# KiCad board audio-controller-board.kicad_pcb (continued)
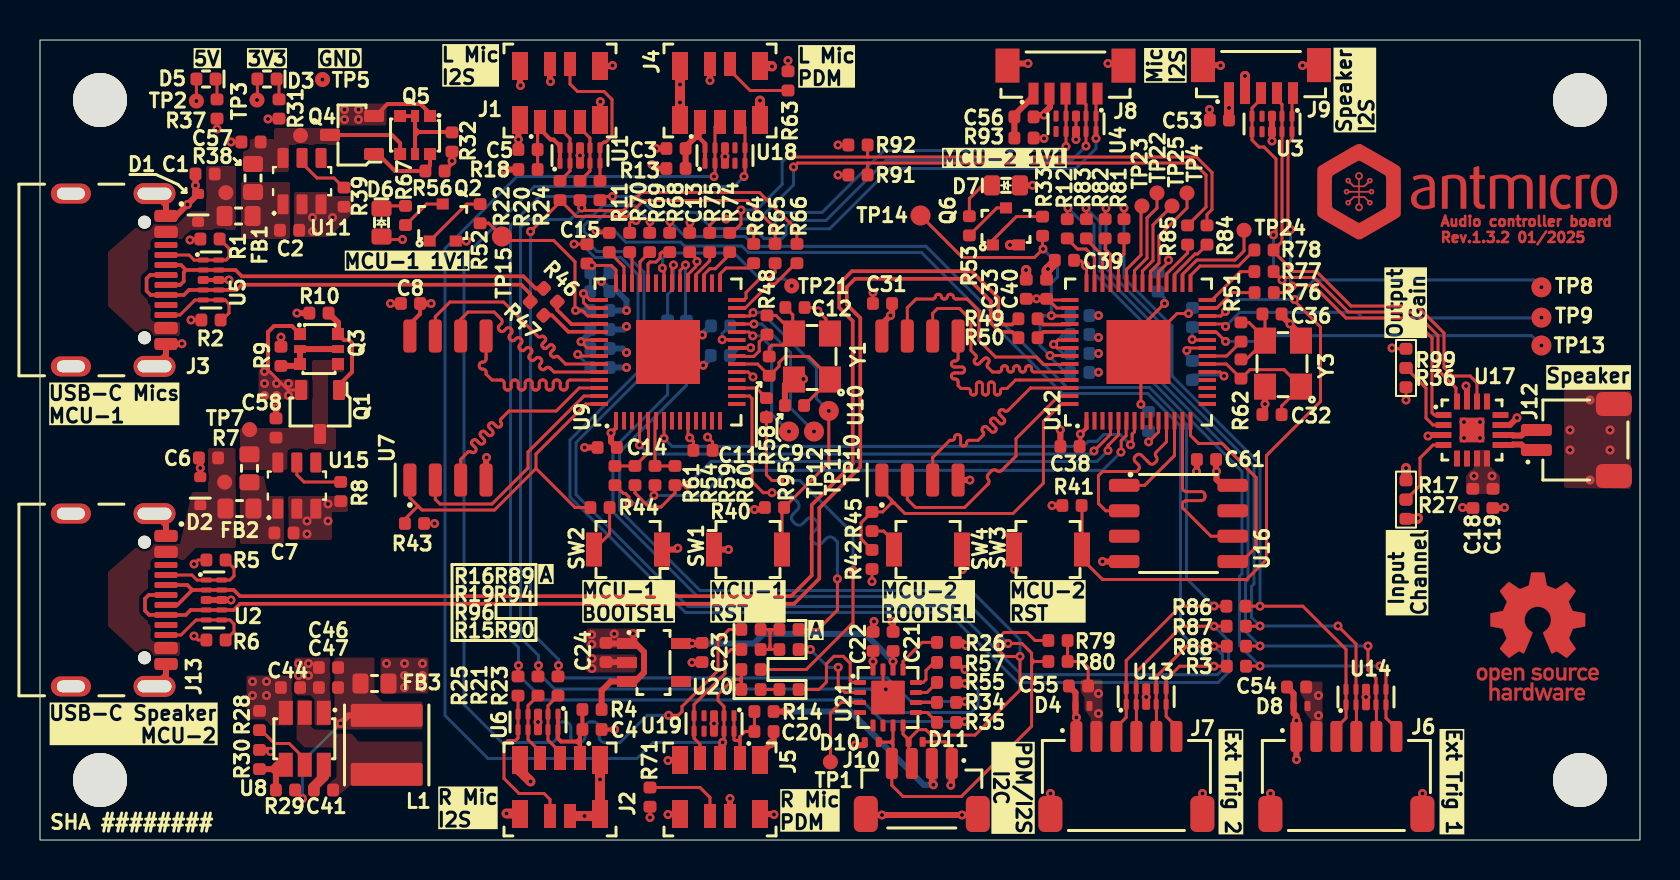
[diagram p0: board, top side]
## Routing (per net, layer and track width the routed paths; a pad name or vN(x,y) marks a point on that pad's centre or on a via; arc(x,y) is an arc through that point) (continued)
/RP2040 - 2/RUN: length 45.1
  Top w0.15: 58.32,26.2 59.04,26.2 v1(59.27,26.43) ; v1(62.72,27.03) 62.78,26.97 62.78,26.9 64.03,25.65 64.03,21.92 61.32,19.22 61.32,14.03 60.32,13.03 53.12,13.03 52.1,14.05 SW3.2 52.1,16.71 R41.2
  Bottom w0.15: v1(75.07,27.64) 74.7,28.01 63.71,28.01 v1(62.72,27.03) 59.87,27.03 v1(59.27,26.43)
/RP2040 - 2/SPI1.MISO: length 9.4
  Top w0.15: 56.32,21 56.32,19.91 55.81,19.4 arc(55.76,19.28) 55.81,19.16 arc(55.86,19.04) 55.81,18.93 55.72,18.83 arc(55.6,18.78) 55.48,18.83 55.07,19.24 arc(54.95,19.29) 54.82,19.24 54.76,19.18 arc(54.7,19.05) 54.76,18.92 54.92,18.76 arc(54.97,18.63) 54.92,18.5 54.84,18.42 53.12,18.42 52.93,18.22 52.93,16.83 53.29,16.46 U16.2
/RP2040 - 2/SPI1.MOSI: length 9.4
  Top w0.15: 60.08,13.92 60.81,14.66 60.81,18.11 59.1,19.83 57.93,19.83 57.53,20.22 57.53,21
/RP2040 - 2/SPI1.SCK: length 9.4
  Top w0.15: U16.6 58.54,15.19 57.12,16.61 57.12,16.79 arc(57.18,16.92) 57.31,16.97 58.07,16.97 arc(58.19,17.02) 58.25,17.15 58.25,17.24 arc(58.19,17.37) 58.07,17.42 57.31,17.42 arc(57.18,17.47) 57.12,17.6 57.12,21
/RP2040 - 2/SPI1.~{CS0}: length 4.9
  Top w0.15: U16.1 55.23,17.73 56.72,19.22 56.72,21
/RP2040 - 2/SWCLK: length 17.3
  Top w0.15: 58.32,25.4 58.81,25.4 v1(59.28,24.93)
  Bottom w0.15: v1(59.28,24.93) 60.92,24.93 61.21,25.22 74.58,25.22 v1(75.07,24.72)
/RP2040 - 2/SWDIO: length 17.2
  Top w0.15: v1(59.28,25.68) 59.16,25.8 58.33,25.8
  Bottom w0.15: v1(75.07,26.12) 75.06,26.11 66.13,26.11 65.85,26.39 59.99,26.39 v1(59.28,25.68)
/RP2040 - 2/XIN: length 7.4
  Top w0.15: 58.32,23.8 59.32,23.8 R62.1 60.5,23.52 62.2,23.52 Y3.1 62.08,21.7 C32.2
/RP2040 - 2/XOUT: length 2
  Top w0.15: R51.2 59.33,24.2 58.32,24.2
/RP2040 - 2/XOUT_R: length 4.5
  Top w0.15: R51.1 60.44,25.88 60.87,25.46 60.87,25.35 Y3.3 61.25,26.17 C36.2 ; 61.2,24.92 60.31,24.03 R62.2
Net-(C46-Pad2): length 7.5
  Top w0.15: 13.12,2.13 R29.2
  Top w0.3: v1(15.03,5.82) 15.43,6.23 L1.2
  Bottom w0.15: v1(15.03,5.82) 13.12,3.92 v1(13.12,2.07)
Net-(C56-Pad2): length 2.5
  Top w0.3: C56.2 R93.1 ; J8.1 49.67,37.2 48.72,36.25
Net-(D3-C): length 1.1
  Top w0.15: D3.1 11.95,37.93 R31.2
Net-(D5-C): length 1
  Top w0.15: R37.1 8.85,37.98 D5.1
Net-(D6-C): length 1.3
  Top w0.15: D6.1 17.2,31.7 R67.2
Net-(D7-C): length 2.3
  Top w0.15: D7.1 47.13,32.73 46.47,32.07 R53.2
Net-(J4-Pad4): length 3.6
  Top w0.15: J4.4 34.5,38.47 35.5,37.47 R63.2
Net-(J5-Pad4): length 4.1
  Top w0.15: R71.2 33,2.62 33.5,2.12 J5.4
Net-(Q1-G): length 4.7
  Top w0.2: Q1.1 14.95,22.75 15.6,23.4 15.6,24.85 15.45,25 15.2,25 14.9,25.3
  Top w0.3: 14.9,25.3 14.9,25.87 R10.2
Net-(Q2-B): length 3.3
  Top w0.15: 19.48,29.95 21.33,31.8 R52.2
Net-(Q2-C): length 2.3
  Top w0.15: R67.1 19.33,31.8 Q2.3
Net-(Q3-Pad2): length 3.8
  Top w0.3: 14.9,24.55 Q3.2 Q3.3 12.9,23.7 11.89,23.7
Net-(Q4-G): length 3.9
  Top w0.2: Q4.1 16.9,34.3 17.75,33.45 R56.2 19.27,33.5 19.5,33.73 Q5.6
Net-(Q5-Pad2): length 5.2
  Top w0.2: 18.75,35.22 18.75,35.15 ; 18.75,35.22 18.75,35.58 ; 18.75,35.22 18.93,35.4 ; 18.75,35.15 Q5.5 ; 18.75,35.15 18.75,35.35 18.8,35.4 18.95,35.4 ; 18.75,35.58 Q5.2 Q5.3 ; 18.75,35.58 18.93,35.4 ; 18.93,35.4 18.95,35.4 ; R32.2 20.58,35.4 18.95,35.4
Net-(Q6-B): length 3.2
  Top w0.15: Q6.1 47.65,30 48.82,31.17 R33.2
Net-(Q6-C): length 2.4
  Top w0.15: R53.1 47.84,31.61 Q6.3
Net-(R16-Pad2): length 3.6
  Top w0.15: 36.5,10.43 36.4,10.53 ; 36.5,10.43 36.5,10.38 ; 36.5,10.43 36.6,10.53 ; 36.4,10.53 36.5,10.53 ; 36.4,10.53 R16.2 ; 36.5,10.38 36.5,10.53 ; 36.5,10.38 36.5,9.68 ; 36.5,10.53 36.6,10.53 ; 36.5,9.62 36.5,9.68 ; 36.5,9.62 36.6,9.53 36.65,9.53 ; 36.5,9.62 36.4,9.53 ; 36.5,9.68 36.5,9.53 ; 36.65,9.53 R94.2 ; 36.65,9.53 36.5,9.53 ; 36.6,10.53 R89.1 ; 36.5,9.53 36.4,9.53 ; 36.4,9.53 R19.2
Net-(U8-BST): length 1.5
  Top w0.5: C41.1 13.69,2.67 14.19,3.16 U8.6
Net-(U8-EN): length 3.1
  Top w0.15: R28.2 11.06,5.5 11.72,4.82 12.46,4.82 13.24,4.05 U8.5
Net-(U8-FB): length 3.1
  Top w0.3: 11.62,3.54 11.62,3.54 11.8,3.38 ; 11.62,3.54 11.85,3.78 ; 11.62,3.54 10.97,3.54 ; R29.1 11.8,3.38 ; 11.8,3.38 11.8,3.72 11.85,3.78 ; 11.85,3.78 12.05,3.97 12.1,3.97 12.29,3.79 U8.4
Net-(U9-GPIO3): length 3.6
  Top w0.15: 30.4,21 30.43,20.97 30.43,19.38 29.75,18.7 28.75,18.7
Net-(U9-GPIO4): length 3.3
  Top w0.15: 30.8,21 30.75,20.95 30.75,18.7 31.75,18.7
Net-(U9-GPIO14): length 1.7
  Top w0.15: 34.8,22.6 35.81,22.6 R95.1
Net-(U9-GPIO16): length 4
  Top w0.15: R66.1 37.79,28.84 36.75,27.8 36.47,27.8 35.26,26.6 34.8,26.6
Net-(U9-GPIO17): length 3.1
  Top w0.15: R65.1 36.75,28.38 36.49,28.11 36.04,28.11 35.3,27.38 35.3,27.1 35.2,27 34.8,27
Net-(U9-GPIO18): length 2.4
  Top w0.15: R64.1 35.45,28.6 34.3,28.6 34,28.3 34,27.8
Net-(U9-GPIO20): length 2.3
  Top w0.15: 33.2,27.8 33.2,28.28 33.49,28.56 33.76,28.56 34.49,29.28 R74.1
Net-(U9-GPIO21): length 1.9
  Top w0.15: R75.1 33.49,28.96 32.8,28.28 32.8,27.8
Net-(U9-GPIO22): length 3.9
  Top w0.15: 32,27.8 32,28.48 v1(32.27,28.75)
  Bottom w0.15: R72.1 32.27,26.01 v1(32.27,28.75)
Net-(U9-GPIO23): length 3.9
  Top w0.15: 31.6,27.8 31.6,28.67 v1(31.68,28.75)
  Bottom w0.15: R73.1 31.38,27.28 31.68,27.58 v1(31.68,28.75)
Net-(U9-GPIO24): length 8.6
  Top w0.15: 31.2,27.8 31.2,28.52 v1(31.12,28.59)
  Bottom w0.15: v1(31.12,28.59) 31.12,29.07 31.4,29.35 34.7,29.35 36,28.05 37.24,28.05 v1(37.59,27.7)
Net-(U9-GPIO26): length 2.4
  Top w0.15: 30.4,27.8 30.4,28.8 30.5,28.9 30.81,28.9 31,29.1 31,29.3 31.1,29.39 R68.1
Net-(U9-GPIO27): length 1.8
  Top w0.15: 30,27.8 30,28.91 R69.1
Net-(U9-GPIO28): length 1.6
  Top w0.15: R70.1 29.6,29.28 29.6,27.8
Net-(U9-GPIO29): length 1.9
  Top w0.15: 29.2,27.8 29.2,28.66 R11.1
Net-(U9-USB_DM): length 2.8
  Top w0.182: R46.2 25.86,26.5 26.57,25.79 27.99,25.79 28,25.8
Net-(U9-USB_DP): length 3.2
  Top w0.182: R47.2 25.59,26.24 26.42,25.41 27.99,25.41 28,25.4
Net-(U11-ILIM): length 2.9
  Top w0.15: R39.2 15.18,32.62 14.7,33.1 13.85,33.1 13.1,33.85 U11.5
Net-(U12-GPIO16): length 2.7
  Top w0.15: 58.32,26.6 58.85,26.6 58.85,26.6 59.61,27.37 R76.1
Net-(U12-GPIO17): length 3
  Top w0.15: R77.1 60.06,28.42 60.04,28.4 60,28.4 58.6,27 58.32,27
Net-(U12-GPIO18): length 4.1
  Top w0.15: 57.53,27.8 57.53,28.23 58,28.7 59.92,28.7 R78.1
Net-(U12-GPIO19): length 5.1
  Top w0.15: 60.22,30.5 TP24.1 60.2,29.45 59.75,29 57.84,29 57.12,28.28 57.12,27.8
Net-(U12-GPIO20): length 2.7
  Top w0.15: R84.1 57.88,29.3 57.75,29.3 56.72,28.27 56.72,27.8
Net-(U12-GPIO21): length 2.4
  Top w0.15: 56.32,27.8 56.32,28.3 57.38,29.35 R85.1
Net-(U12-GPIO24): length 5
  Top w0.15: 54.73,27.8 54.73,28.47 55.35,29.1 55.35,31.1 55.85,31.6 TP22.1
Net-(U12-GPIO25): length 4.2
  Top w0.15: TP23.1 55.05,31.65 55.05,29.25 54.32,28.53 54.32,27.8
Net-(U12-GPIO26): length 2.4
  Top w0.15: R81.1 54.2,29.3 53.93,29.03 53.93,27.8
Net-(U12-GPIO27): length 2.4
  Top w0.15: R82.1 53.26,29.54 53.53,29.28 53.53,27.8
Net-(U12-GPIO28): length 2.6
  Top w0.15: R83.1 52.32,30.03 53.12,29.22 53.12,27.8
Net-(U12-GPIO29): length 3.1
  Top w0.15: 52.72,27.8 52.72,29.12 52.3,29.55 51.87,29.55 51.32,30.1
Net-(U12-USB_DM): length 1.8
  Top w0.15: R49.2 49.88,26.02
  Top w0.182: R49.2 50.16,25.78 51.5,25.78 51.53,25.8
Net-(U12-USB_DP): length 1.9
  Top w0.15: 51.48,25.35 51.53,25.4
  Top w0.182: 51.53,25.4 51.52,25.41 50.17,25.41 R50.2 49.88,25.22
Net-(U15-ILIM): length 3
  Top w0.15: R8.2 13.2,17.9 12.84,18.26 U15.5
Net-(U21-ADDR): length 1.7
  Top w0.15: R57.2 44.71,8.88 44.3,8.47 44.3,8.03 44.15,7.88 U21.12
Net-(U21-BCLK): length 1.1
  Top w0.15: U21.10 44.84,6.88 R34.1
Net-(U21-EN): length 2.5
  Top w0.15: R26.1 44.1,9.88 43.15,8.93 U21.13
Net-(U21-FSYNC): length 1.3
  Top w0.15: U21.9 44.35,6.38 R35.1
Net-(U21-PDM_CLK0): length 5.3
  Top w0.15: R90.2 38.95,7.53 39.32,7.9 39.32,8.81 39.7,9.19 40.16,9.19 40.51,8.84 40.51,7.97 40.6,7.88 U21.1
Net-(U21-PDM_DAT1): length 4.1
  Top w0.15: U21.3 40.05,6.88 39.52,6.34 TP1.1
Net-(U21-SDATA): length 1.3
  Top w0.15: U21.11 44.34,7.38 R55.1

## Copper pours and planes (outline as drawn; the poured copper is in the pictures)
+3V3 on Top: 29.9,9.57 29.9,10.57 27.3,10.57 27.3,9.57
+3V3 on Top: 63.53,5.12 63.53,6.03 63.22,6.43 63.22,7.03 63.03,7.32 63.03,7.93 64.12,7.93 64.12,5.12
+3V3 on Top: 52.53,5.22 52.53,6.12 52.22,6.53 52.22,7.12 52.03,7.43 52.03,8.03 53.12,8.03 53.12,5.22
+3V3 on Top, In2.Cu: 17.03,7.32 17.03,9.12 19.42,9.12 19.42,7.32
+3V3 on In2.Cu: 18,41.47 17.92,12.92 17.92,9.03 18.92,9.03 19.72,9.03 38.8,9.2 38.81,8.72 42.21,8.72 42.21,9.2 62.98,9.37 63,41.47
+5V on Top: 71.7,19.5 72.5,19.5 72.5,18.7 73,18.2 73,17.3 71.3,17.3 71.3,18.2 71.7,18.7
+5V on Top: 17.33,35.72 17.33,36.83 14.92,36.83 14.92,35.72
+5V on Top: 12.62,5.72 11.42,5.72 11.22,6.03 10.33,6.03 10.33,8.22 12.62,8.22
+5V on Top: 13.42,23.03 11.92,23.03 11.53,23.53 10.92,23.53 10.92,22.03 13.42,22.03
+5V on In2.Cu: -2,41.47 82,41.47 82,-1.53 -2,-1.53
GND on Top: 14.53,5.72 13.72,5.72 13.72,7.03 13.53,7.22 12.72,7.22 12.72,9.12 14.53,9.12
GND on Top: 12.4,17.2 15.4,17.2 15.4,16.4 14.6,16.4 14.6,15 12.45,15
GND on Top: 29.8,9.28 27.3,9.28 27.3,8.38 29.8,8.38
GND on Top: 79.55,22.45 79.55,17.55 76.2,17.61 76.2,22.5
GND on Top: 15.6,32.2 14.5,32.2 14.35,32.4 12.7,32.4 12.7,30.15 14.5,30.15 15.6,31.3
GND on In1.Cu: -1,40.47 81,40.47 81,-0.53 -1,-0.53
/2xUSB + Power/USB1_VBUS on Top: 10.15,33.4 12.45,33.4 12.45,34.75 14.95,34.75 14.95,35.6 11.7,35.6 11.7,35.05 10.15,35.05
/2xUSB + Power/USB2_VBUS on Top: 14.8,19.5 14.8,20.6 14.4,20.6 14.4,23.4 15.2,23.4 15.2,24 13.6,24 13.6,20.6 10,20.6 10,18.5 12.4,18.5 12.4,19.5
Net-(C46-Pad2) on Top: 19.12,5.53 14.72,5.53 14.72,9.12 16.72,9.12 16.72,7.32 17.12,6.93 19.12,6.93
Net-(D1-C) on Top: 7,29.5 7,30.8 5,30.8 3.4,29.4 3.4,26.7 5,25.2 7,25.2 7,26.8 5.4,26.8 5.4,29.5
Net-(D1-C) on Top: 9.8,33.7 9.8,30.5 7.55,30.5 7.1,30.05 6.95,30.05 6.85,30.8 7.55,31.45 8.3,31.45 8.3,33.7
Net-(D2-C) on Top: 7,13.5 7,14.8 5,14.8 3.4,13.4 3.4,10.7 5,9.2 7,9.2 7,10.8 5.4,10.8 5.4,13.5
Net-(D2-C) on Top: 8.4,19.6 9.8,19.6 9.8,14.6 7.8,14.6 7.2,14 6.8,14 6.8,14.8 7,14.8 7.6,17.4 8.4,17.4
Net-(U8-SW) on Top: 12.83,7.03 12.83,5.03 13.22,4.62 14.62,4.62 14.83,4.43 14.83,3.12 14.42,2.84 14.42,2.22 14.92,2.22 15.53,2.72 19.12,2.72 19.12,4.93 15.92,4.93 15.33,5.62 13.62,5.62 13.62,7.03
Net-(U11-IN) on Top: 12.5,32.9 12.5,30.05 10.05,30.05 10.05,32.9
Net-(U15-IN) on Top: 10,18.2 11.2,18.2 11.4,17.2 12.2,17.2 12.2,14.8 10,14.8

## Text on the board
Top: ${TITLE} / Rev.${REVISION} 01/2025
F.Mask: ${TITLE} / Rev.${REVISION} 01/2025
F.Silkscreen: Ext Trig 2 | Ext Trig 1 | A | USB-C Mics / MCU-1 | SHA ######## | 5V | 3V3 | GND | MCU-1 1V1 | R Mic / I2S | L Mic / I2S | MCU-1 / BOOTSEL | MCU-1 / RST | R Mic / PDM | L Mic / PDM | MCU-2 / BOOTSEL | MCU-2 1V1 | MCU-2 / RST | Speaker | USB-C Speaker / MCU-2 | Mic / I2S | Speaker / I2S | Output / Gain | Input / Channel | PDM/I2S / I2C
